# Altium PCB motherboard 2 layer try.PcbDoc (part 2 of 2)
Units mm, origin at the board's own origin, x right, y up, seen from the top; angles counter-clockwise.
Board outline 224.71 x 145.57 mm, 2 copper layers (Top Layer, Bottom Layer); 59 components, 158 nets, 486 pads, 605 vias.
Unrouted connection lines stored in the file: 6.
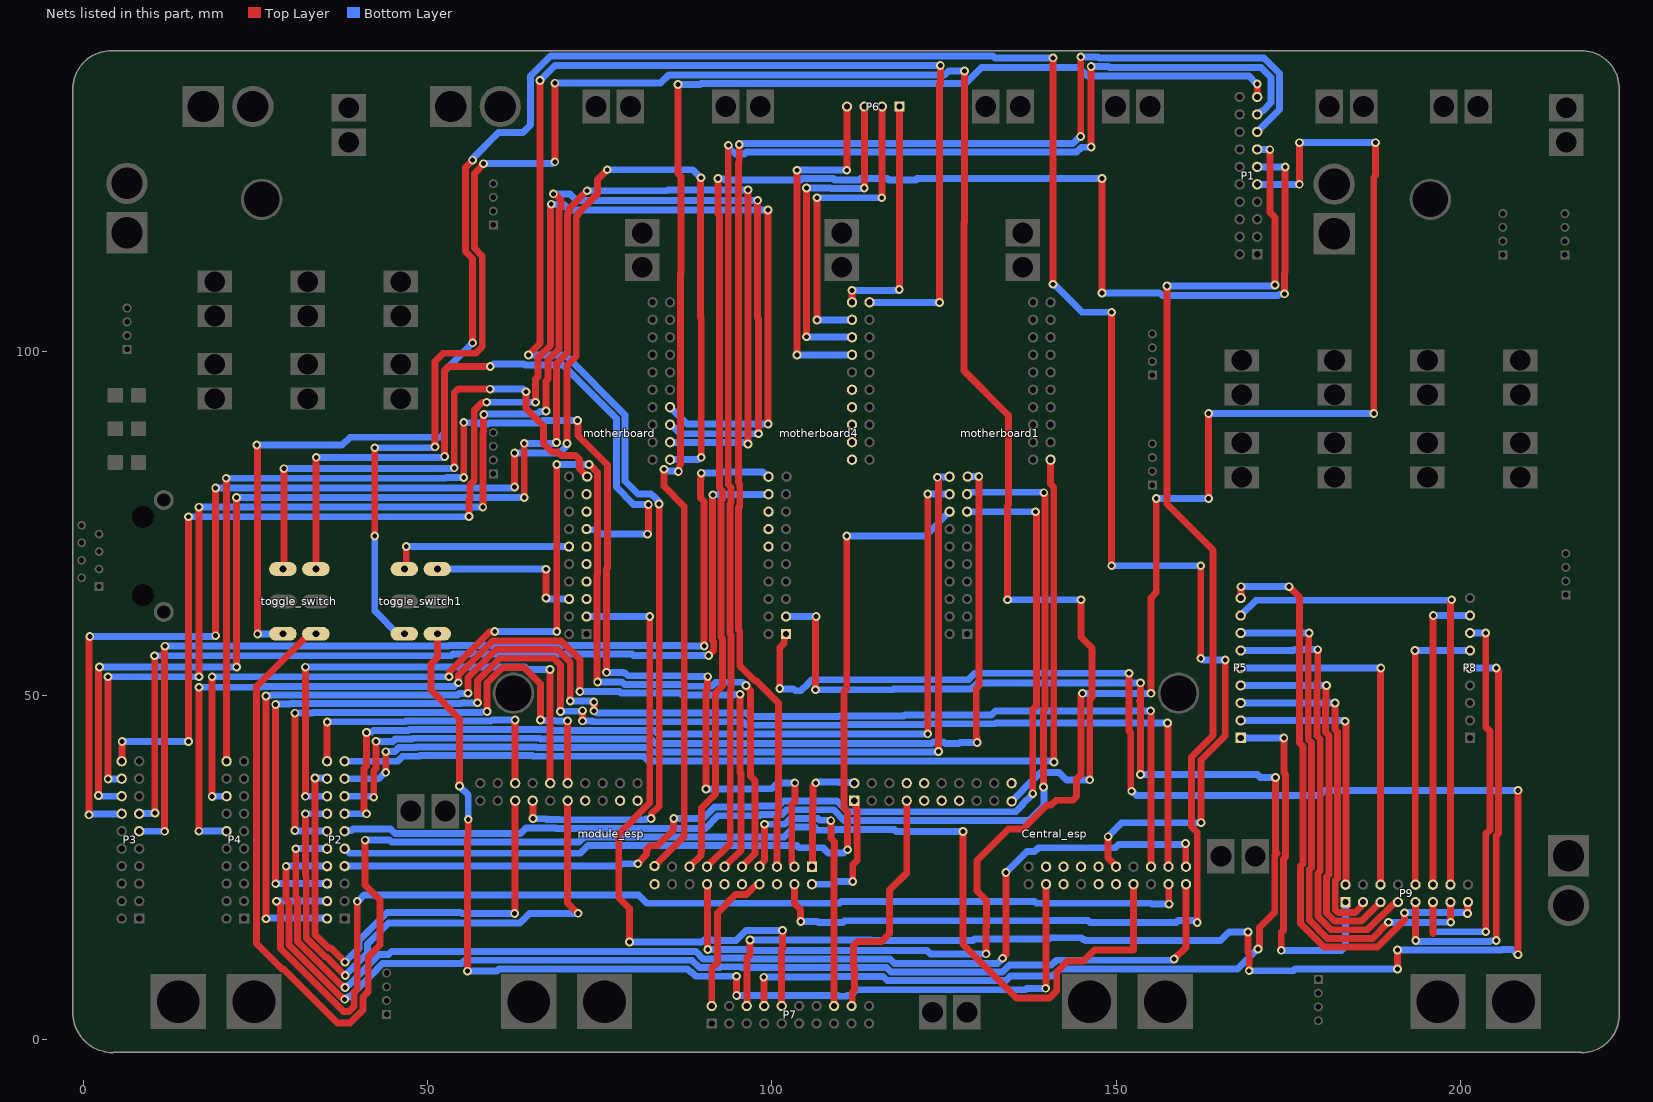
[diagram p2: the nets of this part, all layers, seen from the top]

## Via types
v1: diameter 1.27, hole 0.711, Top Layer to Bottom Layer, 605 vias

## Nets (pads, with @x,y where several pads share a name; then routed paths per layer and width w, separated by ;. In a path a pad name is that pad's centre, name@x,y a point inside that pad or via, vN(x,y) a via of type N, cw(c..) or ccw(c..) an arc to the next point about the centre after c; other vN are vias at no path point) (continued)
Netmotherboard1_15: motherboard1.15 P2.7 | length 158.3
  Top Layer w1: v1(80.518,25.526) 80.518,25.599 81.795,26.876 81.795,27.566 82.381,28.152 83.397,28.152 85.673,30.428 85.673,32.071 v1(85.725,32.123) ; v1(137.894,35.719) 137.894,48.028 138.414,48.548 138.414,76.465 138.279,76.6 v1(138.279,76.673)
  Bottom Layer w1: P2.7@37.91,25.184 77.883,25.184 78.225,25.526 v1(80.518,25.526) ; v1(85.725,32.123) 89.996,32.123 91.639,33.766 97.687,33.766 97.838,33.918 100.959,33.918 101.68,34.639 109.447,34.639 110.993,33.093 135.458,33.093 136.428,34.063 136.428,34.181 137.894,35.646 v1(137.894,35.719) ; motherboard1.15@128.355,76.689 128.363,76.681 138.271,76.681 v1(138.279,76.673)
Netmotherboard1_16: motherboard1.16 P2.9 | length 136.9
  Top Layer w1: v1(110.871,73.152) 110.871,51.001 110.459,50.589 110.459,33.627 110.998,33.088 v1(110.998,27.572)
  Bottom Layer w1: P2.9@37.91,27.724 38.045,27.724 38.718,27.051 72.136,27.051 73.254,28.169 103.632,28.169 103.946,27.855 107.391,27.855 108.179,27.067 110.42,27.067 110.925,27.572 v1(110.998,27.572) ; v1(110.871,73.152) 122.278,73.152 motherboard1.16@125.815,76.689
Netmotherboard1_17: motherboard1.17 P2.11 | length 161.9
  Top Layer w1: v1(139.46,36.685) 139.46,47.82 139.668,48.029 139.668,79.21 139.501,79.377 v1(139.501,79.45)
  Bottom Layer w1: P2.11@37.91,30.264 38.006,30.36 38.908,30.36 39.139,30.591 44.571,30.591 45.227,29.935 63.451,29.935 64.25,30.734 68.6,30.734 68.657,30.677 90.324,30.677 92.159,32.512 98.206,32.512 98.358,32.664 101.478,32.664 102.2,33.385 108.927,33.385 110.473,31.839 137.366,31.839 139.498,33.971 139.498,36.647 v1(139.46,36.685) ; motherboard1.17@128.355,79.229 128.49,79.229 128.763,79.502 139.449,79.502 v1(139.501,79.45)
Netmotherboard1_18: motherboard1.18 P2.13 | length 135.4
  Top Layer w1: v1(41.097,32.784) 41.097,32.857 40.753,33.201 40.753,39.4 41.093,39.74 41.093,44.591 v1(41.097,44.595) ; v1(122.631,44.403) v1(122.631,79.266)
  Bottom Layer w1: P2.13@37.91,32.804 37.92,32.794 41.087,32.794 v1(41.097,32.784) ; v1(41.097,44.595) 41.149,44.647 41.851,44.647 42.115,44.91 47.214,44.91 47.325,45.021 68.059,45.021 68.17,44.91 82.951,44.91 83.458,44.403 110.731,44.403 110.818,44.49 110.905,44.403 v1(122.631,44.403) ; v1(122.631,79.266) 122.649,79.248 125.797,79.248 motherboard1.18@125.815,79.229
Netmotherboard1_19: motherboard1.19 P2.15 | length 141.1
  Top Layer w1: v1(42.142,35.197) 42.142,39.015 42.482,39.355 v1(42.482,43.313) ; v1(129.818,43.149) 129.766,43.201 129.766,43.831 129.683,43.915 129.683,50.994 130.056,51.367 v1(130.056,81.806)
  Bottom Layer w1: P2.15@37.91,35.344 41.922,35.344 42.069,35.197 v1(42.142,35.197) ; v1(42.482,43.313) 44.914,43.313 45.257,43.656 47.734,43.656 47.845,43.767 66.217,43.767 66.328,43.656 82.432,43.656 83.074,43.014 123.206,43.014 123.428,43.236 124.933,43.236 125.155,43.014 127.183,43.014 127.318,43.149 v1(129.818,43.149) ; motherboard1.19@128.447,81.781 128.459,81.794 130.043,81.794 v1(130.056,81.806)
Netmotherboard1_20: motherboard1.20 P2.17 | length 132
  Top Layer w1: v1(43.881,38.814) 43.886,38.819 43.886,41.808 v1(43.891,41.813) ; v1(124.028,81.669) 124.028,81.596 124.18,81.444 v1(124.18,41.847)
  Bottom Layer w1: P2.17@37.91,37.884 42.878,37.884 43.808,38.814 v1(43.881,38.814) ; v1(43.891,41.813) 43.943,41.865 45.239,41.865 45.776,42.402 48.253,42.402 48.364,42.513 65.698,42.513 65.809,42.402 81.912,42.402 82.554,41.76 123.726,41.76 123.761,41.795 124.128,41.795 v1(124.18,41.847) ; v1(124.028,81.669) 124.078,81.719 125.765,81.719 motherboard1.20@125.815,81.769
Netmotherboard1_21: motherboard1.21 P2.19 | length 147.9
  Top Layer w1: motherboard1.21@140.487,84.239 140.487,80.688 140.946,80.229 140.946,40.326 v1(140.962,40.31)
  Bottom Layer w1: P2.19@37.91,40.424 45.572,40.424 46.296,41.148 48.773,41.148 48.884,41.259 65.179,41.259 65.29,41.148 81.393,41.148 82.083,40.458 140.742,40.458 140.889,40.31 v1(140.962,40.31)
Netmotherboard2_1: Central_esp.2 module_esp.1 | length 18.2
  Top Layer w1: module_esp.1@105.809,25.097 105.91,25.198 105.91,33.632 105.97,33.692 105.97,36.817 106.362,37.209 v1(106.362,37.282) ; Central_esp.2@111.925,37.267 Central_esp.2@111.963,37.229
  Bottom Layer w1: v1(106.362,37.282) 106.435,37.282 106.57,37.417 109.645,37.417 109.738,37.325 111.867,37.325 Central_esp.2@111.963,37.229
Netmotherboard2_2: Central_esp.1 module_esp.2 | length 18.3
  Top Layer w1: v1(111.733,22.947) 111.733,25.327 112.387,25.98 112.387,28.515 112.369,28.533 112.369,33.49 112.213,33.646 112.213,34.439 Central_esp.1@111.963,34.689
  Bottom Layer w1: module_esp.2@105.809,22.557 109.098,22.557 109.488,22.947 v1(111.733,22.947)
Netmotherboard2_3: module_esp.3 P4.20 | length 196.2
  Top Layer w1: v1(20.701,81.534) 20.733,81.502 20.733,40.456 P4.20@20.765,40.424 ; v1(55.221,89.662) 55.223,89.66 55.223,81.667 v1(55.225,81.665) ; v1(71.755,89.916) 71.796,89.875 71.796,87.781 76.089,83.488 76.089,68.519 75.954,68.384 v1(75.954,53.342) ; v1(90.432,36.393) 90.432,50.731 90.626,50.926 90.626,52.661 v1(90.678,52.713) ; module_esp.3@103.269,25.097 103.269,25.232 102.87,25.631 102.87,34.139 103.327,34.596 v1(103.327,37.282)
  Bottom Layer w1: v1(20.701,81.534) 52.59,81.534 52.721,81.665 v1(55.225,81.665) ; v1(55.221,89.662) 55.273,89.61 57.346,89.61 57.54,89.416 58.75,89.416 58.929,89.595 66.409,89.595 66.73,89.916 v1(71.755,89.916) ; v1(75.954,53.342) 78.414,53.342 78.549,53.207 78.739,53.207 79.098,52.848 87.674,52.848 87.809,52.713 v1(90.678,52.713) ; v1(90.432,36.393) 96.766,36.393 96.799,36.426 99.92,36.426 100.776,37.282 v1(103.327,37.282)
Netmotherboard2_4: module_esp.4 P1.13 | length 198.4
  Top Layer w1: module_esp.4@103.269,22.557 103.269,22.335 103.26,22.326 103.26,19.78 104.131,18.909 104.131,17.197 v1(104.182,17.145) ; v1(157.401,109.466) 157.401,77.77 164.088,71.083 164.088,44.153 160.955,41.02 160.955,30.921 161.798,30.078 v1(161.798,17.01) ; v1(172.339,129.286) 172.339,120.181 173.101,119.419 v1(173.101,109.609)
  Bottom Layer w1: v1(104.182,17.145) 106.616,17.145 106.74,17.021 110.313,17.021 110.54,17.248 139.348,17.248 139.391,17.291 145.95,17.291 146.22,17.021 158.778,17.021 159.029,17.272 161.463,17.272 161.725,17.01 v1(161.798,17.01) ; v1(157.401,109.466) 172.885,109.466 173.028,109.609 v1(173.101,109.609) ; P1.13@170.498,129.324 170.517,129.305 172.32,129.305 v1(172.339,129.286)
Netmotherboard2_5: module_esp.5 P1.15 | length 209.2
  Top Layer w1: v1(95.25,130.048) 95.25,127.532 95.131,127.413 95.131,80.925 95.313,80.743 95.313,77.457 95.131,77.275 95.131,59.484 95.313,59.302 95.313,54.314 97.514,52.113 97.727,52.113 100.957,48.884 100.957,32.512 100.729,32.284 module_esp.5@100.729,25.097 ; v1(144.856,131.209) 144.856,142.762 v1(144.864,142.77)
  Bottom Layer w1: v1(95.25,130.048) 95.302,130.1 95.702,130.1 95.785,130.183 143.757,130.183 144.783,131.209 v1(144.856,131.209) ; v1(144.864,142.77) 147.35,142.77 147.499,142.621 171.516,142.621 173.764,140.373 173.764,135.13 P1.15@170.498,131.864
Netmotherboard2_6: module_esp.6
Netmotherboard2_7: module_esp.7 P7.16 | length 43.8
  Top Layer w1: module_esp.7@98.189,25.097 98.189,25.232 98.933,25.976 v1(98.933,31.275) ; v1(108.555,31.793) 108.569,31.779 108.569,29.244 108.655,29.158 108.655,29.123 109.101,28.677 109.101,27.651 109.033,27.583 109.033,5.095 109.03,5.092 P7.16@109.03,4.864
  Bottom Layer w1: v1(98.933,31.275) 101.863,31.275 102.719,32.131 106.675,32.131 106.962,31.845 108.503,31.845 v1(108.555,31.793)
Netmotherboard2_8: module_esp.8 P7.2 | length 21.7
  Top Layer w1: P7.2@91.25,4.864 91.25,10.309 92.067,11.126 92.067,18.407 94.713,21.053 96.272,21.053 97.68,22.461 98.093,22.461 module_esp.8@98.189,22.557
Netmotherboard2_9: module_esp.9 P4.16 | length 183.2
  Top Layer w1: v1(18.669,35.306) v1@18.669,52.451 ; v1(53.086,52.705) 53.138,52.757 53.138,53.417 58.948,59.227 59.668,59.227 v1(59.72,59.279) ; v1(68.726,59.279) v1(68.726,83.547) ; v1(73.403,83.535) 73.476,83.535 73.726,83.285 73.776,83.285 74.657,82.404 74.657,67.631 74.565,67.539 74.565,52.137 74.676,52.026 v1(74.676,51.953) ; module_esp.9@95.649,25.097 97.544,26.992 97.544,37.644 96.901,38.287 96.901,50.689 96.245,51.345 v1(96.245,51.418)
  Bottom Layer w1: v1(18.669,52.705) v1(53.086,52.705) ; v1@18.961,35.344 P4.16@20.765,35.344 ; v1(59.72,59.279) v1(68.726,59.279) ; v1(68.726,83.547) 68.732,83.541 73.397,83.541 v1(73.403,83.535) ; v1(74.676,51.953) 78.22,51.953 78.579,51.594 87.154,51.594 87.424,51.324 91.257,51.324 91.835,51.901 95.688,51.901 96.172,51.418 v1(96.245,51.418)
Netmotherboard2_10: module_esp.10
Netmotherboard2_11: module_esp.11 P4.12 | length 139
  Top Layer w1: v1(16.733,30.264) 16.728,30.269 16.728,51.154 v1(16.756,51.182) ; v1(54.432,51.834) 54.484,51.886 54.484,52.99 59.384,57.89 69.381,57.89 72.085,55.186 v1(72.085,50.562) ; module_esp.11@93.109,25.097 95.488,27.476 95.488,38.684 95.377,38.795 v1(95.377,50.165)
  Bottom Layer w1: v1@16.713,30.244 v1(16.733,30.264) P4.12@20.765,30.264 ; v1(16.756,51.182) 25.79,51.182 25.917,51.308 53.833,51.308 54.307,51.782 v1@54.344,51.746 ; v1(72.085,50.562) 77.838,50.562 78.06,50.34 86.635,50.34 86.905,50.07 94.484,50.07 94.527,50.113 95.325,50.113 v1(95.377,50.165)
Netmotherboard2_12: module_esp.12
Netmotherboard2_13: module_esp.13 P1.17 | length 205.3
  Top Layer w1: module_esp.13@90.569,25.097 93.946,28.474 93.946,50.699 94.059,50.811 94.059,58.782 93.877,58.964 93.877,77.795 94.059,77.977 94.059,80.224 93.655,80.627 93.655,129.92 v1(93.664,129.929) ; v1(146.38,129.685) v1(146.38,141.381)
  Bottom Layer w1: v1(93.664,129.929) 93.664,129.856 93.861,129.659 93.861,129.473 94.675,128.659 96.035,128.659 96.305,128.929 144.276,128.929 144.981,129.633 146.328,129.633 v1(146.38,129.685) ; v1(146.38,141.381) 146.394,141.367 148.872,141.367 149.015,141.224 171.087,141.224 172.51,139.801 172.51,136.111 171.331,134.932 171.161,134.932 170.633,134.404 P1.17@170.498,134.404
Netmotherboard2_14: module_esp.14 P1.9 | length 243.3
  Top Layer w1: module_esp.14@90.569,22.557 90.626,22.5 90.626,13.141 v1(90.678,13.089) ; v1(131.117,12.438) 131.117,16.302 131.191,16.376 131.191,20.167 129.794,21.564 129.794,26.03 134.349,30.585 136.497,30.585 139.954,34.042 140.555,34.042 141.263,34.75 143.686,34.75 144.272,35.336 144.272,37.846 144.923,38.497 144.923,50.029 145.113,50.219 v1(145.113,50.292) ; v1(155.067,50.292) 155.067,64.162 155.829,64.924 v1(155.829,78.613) ; v1(163.449,78.613) v1(163.449,90.932) ; v1(176.619,124.244) 176.638,124.263 176.638,130.283 v1(176.657,130.302) ; v1(187.452,90.932) 187.439,90.945 187.439,125.26 187.706,125.527 v1(187.706,130.302)
  Bottom Layer w1: v1(90.678,13.089) 96.506,13.089 96.641,12.954 122.511,12.954 123.027,12.438 v1(131.117,12.438) ; v1(145.113,50.292) v1(155.067,50.292) ; v1(155.829,78.613) v1(163.449,78.613) ; v1(163.449,90.932) v1(187.452,90.932) ; P1.9@170.498,124.244 v1(176.619,124.244) ; v1(176.657,130.302) v1(187.706,130.302)
Netmotherboard2_15: module_esp.15 P1.11 | length 224.7
  Top Layer w1: module_esp.15@88.029,25.097 89.67,26.738 89.67,27.246 89.757,27.333 89.757,33.623 91.821,35.687 91.821,50.347 92.805,51.331 92.805,58.263 92.623,58.445 92.623,78.314 92.805,78.496 92.805,79.704 92.401,80.108 92.401,119.701 92.151,119.952 v1(92.151,125.103) ; v1(147.955,108.458) v1(147.955,125.095) ; v1(174.457,108.331) 174.49,108.364 174.49,111.428 174.536,111.474 174.536,126.708 v1(174.575,126.746)
  Bottom Layer w1: v1(92.151,125.103) 92.203,125.051 92.957,125.051 93.112,124.897 104.207,124.897 104.397,125.087 108.917,125.087 109.107,124.897 112.646,124.897 112.836,125.087 116.773,125.087 116.963,124.897 120.901,124.897 121.099,125.095 v1(147.955,125.095) ; v1(147.955,108.458) 156.334,108.458 156.715,108.077 173.533,108.077 173.736,108.279 174.406,108.279 v1(174.457,108.331) ; P1.11@170.498,126.784 170.71,126.784 170.729,126.765 174.556,126.765 v1(174.575,126.746)
Netmotherboard2_19: module_esp.19 P1.19 | length 207.3
  Top Layer w1: module_esp.19@82.937,25.189 87.249,29.501 87.249,77.47 84.331,80.388 v1(84.331,82.845) ; v1(86.36,138.734) 86.36,125.821 86.757,125.424 86.757,111.312 86.7,111.255 86.7,85.158 86.697,83.616 v1(86.4,82.524) ; P1.19@170.498,136.944 170.501,136.947 170.501,138.832 v1(170.504,138.835)
  Bottom Layer w1: v1(84.331,82.845) 84.404,82.845 84.674,82.575 86.348,82.575 v1(86.4,82.524) ; v1(86.36,138.734) 89.535,138.734 89.67,138.869 128.09,138.869 130.445,141.224 144.573,141.224 145.827,139.97 169.296,139.97 170.431,138.835 v1(170.504,138.835)
Netmotherboard2_20: module_esp.20
Netmotherboard2_22: module_esp.22
Netmotherboard2_24: module_esp.24
Netmotherboard2_28: module_esp.28
Netmotherboard2_29: module_esp.29 P2.12 | length 82
  Top Layer w1: v1(30.683,30.371) v1(30.683,47.411) ; v1(58.623,47.664) 58.623,51.809 60.878,54.064 63.988,54.064 66.37,51.682 v1(66.37,46.41) ; v1(70.307,46.299) 70.319,46.287 module_esp.29@70.319,37.229
  Bottom Layer w1: v1(30.683,30.371) 30.756,30.371 30.863,30.264 P2.12@35.37,30.264 ; v1(30.683,47.411) 33.213,47.411 33.331,47.529 57.801,47.529 57.885,47.612 58.571,47.612 v1(58.623,47.664) ; v1(66.37,46.41) 66.422,46.358 68.495,46.358 68.599,46.254 70.262,46.254 v1(70.307,46.299)
Netmotherboard2_30: module_esp.30 P2.14 | length 84.5
  Top Layer w1: v1(32.207,32.784) 32.207,23.925 32.337,23.795 32.337,14.762 35.072,12.027 35.217,12.027 37.95,9.294 v1(37.996,9.294) ; module_esp.30@70.319,34.689 70.319,19.855 v1(71.846,18.328)
  Bottom Layer w1: v1(32.207,32.784) 32.217,32.794 35.36,32.794 P2.14@35.37,32.804 ; v1(37.996,9.294) 41.245,12.543 41.245,13.866 44.279,16.899 63.359,16.899 64.788,18.328 v1(71.846,18.328)
Netmotherboard2_31: module_esp.31 P2.16 | length 74.2
  Top Layer w1: v1(32.207,35.324) v1(32.207,54.094) ; v1(67.767,53.747) 67.773,53.741 67.773,37.235 module_esp.31@67.779,37.229
  Bottom Layer w1: v1@32.207,35.344 P2.16@35.37,35.344 ; v1(32.207,54.094) 64.097,54.094 64.444,53.747 v1(67.767,53.747)
Netmotherboard2_34: module_esp.34 motherboard4.39 | length 244.2
  Top Layer w1: v1(64.643,99.433) 66.306,101.096 v1(66.306,139.331) ; module_esp.34@65.239,34.689 65.259,34.67 65.259,32.143 v1(65.278,32.123) ; v1(82.452,32.123) 82.504,32.175 82.504,32.813 83.632,33.941 83.632,77.771 v1(83.602,77.801) ; v1(124.333,107.061) 124.333,138.809 124.46,138.936 v1(124.46,141.512)
  Bottom Layer w1: v1(64.643,99.433) 69.971,99.433 78.641,90.763 78.641,81.125 80.518,79.248 82.417,79.248 82.717,78.948 82.782,78.948 83.551,78.18 83.551,77.852 v1(83.602,77.801) ; v1(65.278,32.123) 65.33,32.071 67.159,32.071 67.243,31.988 69.12,31.988 69.177,31.931 81.621,31.931 81.762,32.071 82.4,32.071 v1(82.452,32.123) ; v1(66.306,139.331) 68.487,141.512 v1(124.46,141.512) ; motherboard4.39@114.174,107.099 114.193,107.08 124.314,107.08 v1(124.333,107.061)
Netmotherboard2_35: module_esp.35 P2.20 | length 42.3
  Top Layer w1: P2.20@35.37,40.424 35.376,40.43 35.376,46.113 v1(35.382,46.119) ; v1(62.687,46.41) 62.693,46.404 62.693,37.235 module_esp.35@62.699,37.229
  Bottom Layer w1: v1(35.382,46.119) 35.427,46.164 46.695,46.164 46.806,46.275 59.198,46.275 59.333,46.41 v1(62.687,46.41)
Netmotherboard2_36: module_esp.36 P2.18 | length 75
  Top Layer w1: v1(33.604,37.991) 33.604,37.872 33.598,37.866 33.598,15.274 35.592,13.281 35.928,13.281 v1(37.973,11.235) ; v1(62.611,18.288) 62.655,18.332 62.655,34.645 module_esp.36@62.699,34.689
  Bottom Layer w1: v1@33.985,37.991 33.996,37.98 35.274,37.98 P2.18@35.37,37.884 ; v1(37.973,11.235) 39.991,13.254 39.991,14.385 44.069,18.463 54.763,18.463 54.938,18.288 v1(62.611,18.288)
Netmotherboard3_7: Central_esp.7 P7.18 | length 35.3
  Top Layer w1: P7.18@111.57,4.864 111.666,4.96 111.666,6.831 112.006,7.172 112.006,10.337 111.871,10.472 111.871,13.638 112.457,14.224 115.951,14.224 117.094,15.367 117.094,21.717 119.583,24.206 Central_esp.7@119.583,34.689
Netmotherboard3_8: Central_esp.8
Netmotherboard3_9: Central_esp.9
Netmotherboard3_10: Central_esp.10 | length 0.1
  Top Layer w1: Central_esp.10@122.123,37.229 Central_esp.10@122.123,37.364
Netmotherboard3_11: Central_esp.11
Netmotherboard3_13: Central_esp.13
Netmotherboard3_19: Central_esp.19 toggle_switch1.3 | length 299
  Top Layer w1: v1(42.291,73.16) v1(42.291,85.971) ; v1(51.054,86.106) 51.054,98.538 52.211,99.695 56.955,99.695 57.904,100.644 57.904,113.86 56.754,115.01 56.754,125.823 58.104,127.173 v1(58.104,127.246) ; v1(68.453,127.508) v1(68.453,138.946) ; v1(127.977,140.721) 127.99,140.708 127.99,118.685 127.889,118.584 127.889,97.16 134.382,90.667 134.382,77.681 134.223,77.522 v1(134.223,63.881) ; v1(144.907,63.881) 144.907,58.449 146.502,56.854 146.502,49.717 146.177,49.392 v1(146.177,37.719)
  Bottom Layer w1: v1(42.291,73.16) 42.291,62.238 45.584,58.945 toggle_switch1.3@46.584,58.945 ; v1(42.291,85.971) 42.295,85.975 50.85,85.975 50.981,86.106 v1(51.054,86.106) ; v1(58.104,127.246) 68.118,127.246 68.38,127.508 v1(68.453,127.508) ; v1(68.453,138.946) 83.828,138.946 85.005,140.123 125.035,140.123 125.633,140.721 v1(127.977,140.721) ; v1(134.223,63.881) v1(144.907,63.881) ; Central_esp.19@134.835,34.597 136.426,36.188 136.426,36.216 138.992,38.782 141.724,38.782 142.787,37.719 v1(146.177,37.719)
Netmotherboard3_20: Central_esp.20
Netmotherboard3_23: Central_esp.23 toggle_switch1.6 | length 154.6
  Top Layer w1: toggle_switch1.6@51.384,58.945 51.384,55.517 50.443,54.576 50.443,50.742 54.61,46.575 v1(54.61,36.83) ; v1(55.753,9.93) 55.753,29.345 55.88,29.472 v1(55.88,31.98) ; v1(94.85,9.184) 94.86,9.175 94.86,6.415 v1(94.869,6.406) ; v1(139.763,7.429) 139.763,7.503 139.833,7.572 Central_esp.23@139.833,22.557
  Bottom Layer w1: v1(54.61,36.83) 54.61,36.757 55.88,35.487 v1(55.88,31.98) ; v1(55.753,9.93) 60.033,9.93 60.356,10.253 87.749,10.253 88.175,9.827 88.318,9.827 88.961,9.184 v1(94.85,9.184) ; v1(94.869,6.406) 109.615,6.406 109.746,6.275 110.854,6.275 110.947,6.368 111.448,6.368 112.309,7.229 136.812,7.229 137.013,7.429 139.639,7.429 v1@139.644,7.425
Netmotherboard3_24: Central_esp.24
Netmotherboard3_25: Central_esp.25
Netmotherboard3_26: Central_esp.26
Netmotherboard3_28: Central_esp.28
Netmotherboard3_29: Central_esp.29
Netmotherboard3_30: Central_esp.30
Netmotherboard3_31: Central_esp.31
Netmotherboard3_32: Central_esp.32 toggle_switch.3 | length 350.3
  Top Layer w1: v1(25.146,86.36) 25.146,86.287 25.273,86.16 v1(25.273,58.928) ; v1(56.515,101.219) 56.515,113.475 55.5,114.49 55.5,126.674 56.515,127.689 v1(56.515,127.762) ; v1(140.843,109.728) v1(140.843,142.621) ; v1(148.844,29.464) 148.844,26.381 149.993,25.232 Central_esp.32@149.993,25.097 ; v1(149.352,68.834) v1(149.352,105.664) ; v1(162.306,55.372) v1(162.306,68.834) ; v1(162.344,31.496) 162.344,40.636 165.862,44.154 v1(165.862,55.118)
  Bottom Layer w1: v1(25.146,86.36) 37.535,86.36 38.67,87.495 51.865,87.495 52.451,88.081 52.451,97.155 v1(56.515,101.219) ; v1(25.273,58.928) 25.282,58.937 28.935,58.937 toggle_switch.3@28.944,58.945 ; v1@56.388,127.889 60.292,131.793 63.848,131.793 64.917,132.862 64.917,139.966 67.852,142.901 132.111,142.901 132.391,142.621 v1(140.843,142.621) ; v1@141.097,109.601 145.034,105.664 v1(149.352,105.664) ; v1(148.844,29.464) 150.876,31.496 v1(162.344,31.496) ; v1(149.352,68.834) v1(162.306,68.834) ; v1(162.306,55.372) 162.56,55.118 v1(165.862,55.118)
Netmotherboard3_33: Central_esp.33 toggle_switch.6 | length 243.4
  Top Layer w1: toggle_switch.6@33.744,58.945 32.744,58.945 25.103,51.304 25.103,13.94 28.79,10.253 29.053,10.253 29.495,9.811 29.495,9.786 36.868,2.413 38.667,2.413 40.558,4.304 40.558,6.178 41.344,6.964 41.344,12 43.053,13.709 43.053,20.253 40.894,22.412 v1(40.894,28.956) ; v1(127.762,30.226) 127.762,13.828 135.55,6.04 140.339,6.04 141.383,7.085 141.383,9.811 142.967,11.395 145.253,11.395 146.836,12.978 152.527,12.978 152.53,12.981 152.53,22.554 Central_esp.33@152.533,22.557
  Bottom Layer w1: v1(40.894,28.956) 44.432,28.956 44.707,28.681 71.993,28.681 72.735,29.423 101.784,29.423 103.222,30.861 106.172,30.861 106.629,30.404 109.13,30.404 109.206,30.48 117.795,30.48 118.049,30.226 v1(127.762,30.226)
Netmotherboard3_36: Central_esp.36 P2.2 | length 205.1
  Top Layer w1: v1(26.492,17.544) v1(26.492,49.919) ; v1(55.829,50.31) 55.829,52.562 59.903,56.636 68.862,56.636 70.688,54.81 v1(70.688,49.167) ; v1(74.117,47.744) v1(74.117,49.04) ; v1(155.016,47.744) 155.044,47.716 155.044,25.126 Central_esp.36@155.073,25.097
  Bottom Layer w1: v1(26.492,17.544) 26.565,17.544 26.681,17.66 35.274,17.66 P2.2@35.37,17.564 ; v1(26.492,49.919) 26.544,49.971 27.23,49.971 27.314,50.054 54.352,50.054 54.557,50.258 55.777,50.258 v1(55.829,50.31) ; v1(70.688,49.167) 73.917,49.167 74.044,49.04 v1(74.117,49.04) ; v1(74.117,47.744) 74.19,47.744 74.516,47.418 96.323,47.418 96.83,46.911 109.693,46.911 109.804,47.022 119.148,47.022 119.259,47.133 131.897,47.133 132.498,47.734 155.006,47.734 v1(155.016,47.744)
Netmotherboard3_37: Central_esp.37 P2.4 | length 166.7
  Top Layer w1: v1(28.016,20.084) 28.016,20.011 28.575,19.452 28.575,13.203 37.715,4.063 38.544,4.063 39.304,4.824 39.304,6.909 39.751,7.355 v1(39.751,20.066) ; Central_esp.37@157.613,22.557 157.648,22.522 157.648,19.699 v1(157.683,19.664)
  Bottom Layer w1: v1(28.016,20.084) 28.143,20.084 28.163,20.104 P2.4@35.37,20.104 ; v1(39.751,20.066) 39.824,20.066 40.729,20.971 80.635,20.971 81.807,19.799 109.791,19.799 110.042,20.05 138.162,20.05 138.413,19.799 155.048,19.799 155.183,19.664 v1(157.683,19.664)
Netmotherboard3_38: Central_esp.38 P2.6 | length 197.6
  Top Layer w1: v1(27.889,22.624) v1(27.889,48.665) ; v1(57.226,48.918) 57.226,52.185 60.423,55.382 68.342,55.382 69.291,54.433 v1(69.291,47.643) ; v1(72.466,46.299) v1(72.466,47.77) ; v1(157.48,45.974) 157.532,45.922 157.532,25.178 Central_esp.38@157.613,25.097
  Bottom Layer w1: v1(27.889,48.665) 27.94,48.716 30.024,48.716 30.108,48.8 54.872,48.8 54.985,48.913 57.221,48.913 v1(57.226,48.918) ; v1@28.143,22.624 28.163,22.644 P2.6@35.37,22.644 ; v1(69.291,47.643) 69.336,47.688 72.311,47.688 72.393,47.77 v1(72.466,47.77) ; v1(72.466,46.299) 72.518,46.247 73.913,46.247 73.997,46.164 95.804,46.164 96.311,45.657 110.212,45.657 110.323,45.768 122.032,45.768 122.143,45.879 132.416,45.879 132.511,45.974 v1(157.48,45.974)
Netmotherboard3_39: Central_esp.39 P2.8 | length 165
  Top Layer w1: v1(29.413,25.164) 29.413,20.387 29.829,19.971 29.829,13.723 37.398,6.153 37.516,6.153 37.842,5.828 v1(37.915,5.828) ; v1(158.436,11.676) 160.153,13.393 Central_esp.39@160.153,22.557
  Bottom Layer w1: v1(29.413,25.164) 29.433,25.184 P2.8@35.37,25.184 ; v1(37.915,5.828) 37.988,5.828 38.314,6.153 38.593,6.153 42.598,10.158 42.598,10.241 43.423,11.066 54.925,11.066 55.366,11.507 88.412,11.507 89.473,10.446 92.41,10.446 92.537,10.573 95.475,10.573 95.602,10.446 116.623,10.446 117.274,9.795 133.48,9.795 134.48,10.795 140.594,10.795 141.306,11.507 158.194,11.507 158.363,11.676 v1(158.436,11.676)
Netmotherboard3_40: Central_esp.40 P2.10 | length 170.6
  Top Layer w1: v1(30.81,27.704) 30.81,20.764 31.083,20.491 31.083,14.242 37.42,7.905 37.538,7.905 37.901,7.542 v1(37.974,7.542) ; v1(133.52,11.799) 133.52,11.872 133.985,12.337 v1(133.985,24.257) ; v1(160.096,28.466) 160.124,28.438 160.124,25.126 Central_esp.40@160.153,25.097
  Bottom Layer w1: v1@30.81,27.724 P2.10@35.37,27.724 ; v1(37.974,7.542) 38.047,7.542 38.409,7.905 38.571,7.905 40.726,10.06 40.726,10.142 42.903,12.32 44.315,12.32 44.756,12.761 88.931,12.761 89.992,11.7 91.891,11.7 92.018,11.827 95.995,11.827 96.122,11.7 117.142,11.7 117.793,11.049 132.766,11.049 133.517,11.799 v1(133.52,11.799) ; v1(133.985,24.257) 137.049,27.321 138.157,27.321 138.691,27.855 149.857,27.855 150.323,28.321 159.878,28.321 160.023,28.466 v1(160.096,28.466)
Netmotherboard4_1: motherboard4.1 P7.6 | length 289.2
  Top Layer w1: P7.6@96.33,4.864 96.362,4.896 96.362,11.835 96.825,12.299 v1(96.825,14.47) ; v1(101.138,51) 101.138,56.938 101.792,57.591 101.792,58.659 motherboard4.1@102.042,58.909 ; v1(151.892,53.213) 151.892,44.827 152.13,44.589 152.13,36.458 152.213,36.375 152.213,36.12 v1(152.265,36.068) ; v1(169.164,15.621) 169.164,12.621 169.338,12.448 v1(169.338,9.986) ; v1(190.881,10.225) 190.881,12.991 v1(190.893,13.003) ; v1(208.407,12.319) v1(208.407,36.195)
  Bottom Layer w1: v1(96.825,14.47) 114.383,14.47 114.494,14.359 129.231,14.359 129.443,14.571 140.218,14.571 140.43,14.783 144.911,14.783 145.181,14.513 145.372,14.513 145.518,14.367 165.175,14.367 166.429,15.621 v1(169.164,15.621) ; v1(101.138,51) 101.19,50.948 103.122,50.948 103.397,50.673 104.226,50.673 105.232,51.679 105.232,51.69 105.81,52.269 128.528,52.269 129.472,53.213 v1(151.892,53.213) ; v1(152.265,36.068) 152.338,36.068 152.979,35.427 179.546,35.427 180.314,36.195 v1(208.407,36.195) ; v1(169.338,9.986) 175.764,9.986 176.003,10.225 v1(190.881,10.225) ; v1(190.893,13.003) 205.984,13.003 206.054,13.073 207.58,13.073 208.334,12.319 v1(208.407,12.319)
Netmotherboard4_3: motherboard4.3 P7.8 | length 200.3
  Top Layer w1: v1(98.806,9.057) 98.838,9.025 98.838,4.896 P7.8@98.87,4.864 ; v1(106.314,50.808) 106.314,61.283 106.426,61.395 v1(106.426,61.468) ; v1(153.535,38.489) 153.535,49.053 153.407,49.181 153.535,49.309 v1(153.535,51.816) ; v1(170.61,13.149) 170.61,13.223 170.815,13.428 170.815,16.256 173.055,18.496 173.055,26.756 173.355,27.056 173.157,27.254 v1(173.157,38.07)
  Bottom Layer w1: v1(98.806,9.057) 108.693,9.057 108.772,9.136 116.159,9.136 116.754,8.541 134,8.541 134.667,9.208 140.78,9.208 141.825,10.253 167.64,10.253 170.537,13.149 v1(170.61,13.149) ; motherboard4.3@102.042,61.449 102.051,61.459 106.417,61.459 v1(106.426,61.468) ; v1(106.314,50.808) 117.614,50.808 117.701,50.895 128.928,50.895 129.841,51.808 153.527,51.808 v1(153.535,51.816) ; v1(153.535,38.489) 170.522,38.489 170.942,38.07 v1(173.157,38.07)
Netmotherboard4_12: motherboard4.12
Netmotherboard4_14: motherboard4.14
Netmotherboard4_16: motherboard4.16
Netmotherboard4_18: motherboard4.18 P3.13 | length 137.8
  Top Layer w1: v1(10.287,55.753) 10.329,55.711 10.329,32.953 v1(10.371,32.911) ; v1(90.799,55.784) 90.799,55.841 91.551,56.593 91.551,57.743 91.369,57.925 91.369,79.082 v1(91.416,79.129)
  Bottom Layer w1: P3.13@8.065,32.804 8.12,32.859 10.319,32.859 v1(10.371,32.911) ; v1(10.287,55.753) 53.446,55.753 53.678,55.985 79.699,55.985 79.905,55.779 90.795,55.779 v1(90.799,55.784) ; v1(91.416,79.129) 91.466,79.179 99.452,79.179 motherboard4.18@99.502,79.229
Netmotherboard4_20: motherboard4.20 P3.11 | length 144.5
  Top Layer w1: v1(11.76,30.244) 11.76,57.099 v1(11.811,57.15) ; v1(89.724,82.277) 89.672,82.225 89.672,81.396 89.623,81.347 89.623,78.643 90.115,78.151 90.115,57.215 v1(90.162,57.168)
  Bottom Layer w1: P3.11@8.065,30.264 8.075,30.254 11.75,30.254 v1(11.76,30.244) ; v1(11.811,57.15) 53.07,57.15 53.159,57.239 87.527,57.239 87.598,57.168 v1(90.162,57.168) ; v1(89.724,82.277) 92.213,82.277 92.359,82.423 98.713,82.423 99.367,81.769 motherboard4.20@99.502,81.769
Netmotherboard4_22: motherboard4.22
Netmotherboard4_24: motherboard4.24
Netmotherboard4_26: motherboard4.26
Netmotherboard4_28: motherboard4.28
Netmotherboard4_30: motherboard4.30
Netmotherboard4_34: motherboard4.34 P6.4 | length 51.4
  Top Layer w1: v1(103.632,99.441) v1(103.632,126.286) ; v1(110.871,126.286) 110.902,126.316 P6.4@110.902,135.547
  Bottom Layer w1: v1(103.632,99.441) 103.651,99.46 111.615,99.46 motherboard4.34@111.634,99.479 ; v1(103.632,126.286) 103.705,126.286 103.76,126.341 109.436,126.341 109.439,126.338 110.819,126.338 v1(110.871,126.286)
Netmotherboard4_36: motherboard4.36 P6.3 | length 48.5
  Top Layer w1: v1(105.021,102.1) 105.025,102.104 105.025,123.694 v1(105.029,123.698) ; v1@113.442,123.698 P6.3@113.442,135.547
  Bottom Layer w1: v1(105.021,102.1) 105.061,102.06 111.594,102.06 motherboard4.36@111.634,102.019 ; v1(105.029,123.698) 108.532,123.698 108.587,123.643 113.283,123.643 113.338,123.698 v1(113.411,123.698)
Netmotherboard4_38: motherboard4.38 P6.2 | length 45.5
  Top Layer w1: v1(106.553,104.521) v1(106.553,122.301) ; v1(115.951,122.301) 115.966,122.316 115.966,135.532 P6.2@115.982,135.547
  Bottom Layer w1: v1(106.553,104.521) 106.572,104.54 111.615,104.54 motherboard4.38@111.634,104.559 ; v1(106.553,122.301) v1(115.951,122.301)
Netmotherboard4_40: motherboard4.40 P6.1 | length 35.2
  Top Layer w1: motherboard4.40@111.634,107.099 v1(111.633,108.839) ; v1(118.491,108.966) 118.506,108.981 118.506,135.532 P6.1@118.522,135.547
  Bottom Layer w1: v1(111.633,108.839) 118.291,108.839 118.418,108.966 v1(118.491,108.966)
Netmotherboard_3: motherboard.3 P7.10 | length 93.1
  Top Layer w1: v1(79.301,14.15) 79.301,19.061 77.732,20.63 77.732,29.815 82.243,34.326 v1(82.243,61.46) ; P7.10@101.41,4.864 101.41,13.089 101.6,13.279 101.54,13.339 v1(101.54,15.859)
  Bottom Layer w1: motherboard.3@73.08,61.468 73.089,61.459 82.241,61.459 v1(82.243,61.46) ; v1(79.301,14.15) 89.775,14.15 90.103,14.478 91.253,14.478 91.364,14.367 94.758,14.367 96.25,15.859 v1(101.54,15.859)
Netmotherboard_5: motherboard.5
Netmotherboard_6: motherboard.6 toggle_switch1.4 | length 23.5
  Top Layer w1: v1@67.183,64.008 v1(67.183,64.135) v1(67.183,68.326)
  Bottom Layer w1: toggle_switch1.4@51.384,68.345 67.164,68.345 v1(67.183,68.326) ; v1(67.183,64.135) 67.256,64.135 67.402,63.989 motherboard.6@70.521,63.989
Netmotherboard_7: motherboard.7
Netmotherboard_9: motherboard.9
Netmotherboard_11: motherboard.11
Netmotherboard_12: motherboard.12 toggle_switch1.1 | length 27.1
  Top Layer w1: toggle_switch1.1@46.584,68.345 46.863,68.624 v1(46.863,71.628)
  Bottom Layer w1: v1(46.863,71.628) 46.872,71.619 70.511,71.619 motherboard.12@70.521,71.609
Netmotherboard_13: motherboard.13 toggle_switch.4 | length 105.2
  Top Layer w1: toggle_switch.4@33.744,68.345 v1@33.744,84.582 ; v1(52.443,84.717) 52.443,97.204 53.029,97.79 v1(59.071,97.79) ; v1(81.915,73.414) 81.915,73.487 82.042,73.614 v1(82.042,77.724)
  Bottom Layer w1: v1(33.782,84.582) 52.235,84.582 52.37,84.717 v1(52.443,84.717) ; v1(59.071,97.79) 59.123,97.842 59.234,97.842 59.531,98.139 63.973,98.139 64.108,98.004 69.627,98.004 77.387,90.244 77.387,80.271 79.907,77.751 82.015,77.751 v1(82.042,77.724) ; motherboard.13@73.061,74.149 73.157,74.053 74.414,74.053 75.054,73.414 v1(81.915,73.414)
Netmotherboard_15: motherboard.15
Netmotherboard_17: motherboard.17
Netmotherboard_19: motherboard.19 toggle_switch.1 | length 78.5
  Top Layer w1: toggle_switch.1@28.944,68.345 29.083,68.484 v1@29.083,82.677 ; v1@53.832,83.131 53.832,93.902 54.418,94.488 v1(59.055,94.488) ; v1(64.262,94.107) 64.262,91.694 66.794,89.162 66.794,86.622 68.056,85.36 68.877,85.36 69.401,84.836 71.428,84.836 72.014,84.25 72.014,82.96 73.153,81.821 motherboard.19@73.153,81.781
  Bottom Layer w1: v1(29.083,82.931) 53.632,82.931 53.759,83.058 v1(53.832,83.058) ; v1(59.055,94.488) 63.808,94.488 64.189,94.107 v1(64.262,94.107)
Netmotherboard_21: motherboard.21 P3.14 | length 229.1
  Top Layer w1: v1(0.762,32.639) 0.762,58.347 0.889,58.474 v1(0.889,58.547) ; v1@19.177,58.547 v1(19.177,80.137) ; v1(62.611,85.217) 62.615,85.213 62.615,80.268 v1(62.619,80.264) ; v1(70.222,86.588) 70.222,97.919 71.564,99.26 71.564,119.485 71.834,119.755 71.834,120.035 74.676,122.877 74.676,124.968 v1(76.073,126.365) ; v1(89.697,125.208) 89.697,125.135 89.623,125.062 89.623,104.908 89.722,104.809 v1(89.722,84.582)
  Bottom Layer w1: v1(0.762,32.639) 0.835,32.639 0.981,32.785 5.294,32.785 5.313,32.804 P3.14@5.525,32.804 ; v1(0.889,58.547) v1@19.177,58.547 ; v1(19.177,80.137) 62.419,80.137 62.546,80.264 v1(62.619,80.264) ; v1(62.611,85.217) 69.139,85.217 70.171,86.248 70.171,86.536 v1(70.222,86.588) ; v1(76.073,126.365) 88.467,126.365 89.623,125.208 v1(89.697,125.208) ; motherboard.21@85.193,84.239 89.306,84.239 89.649,84.582 v1(89.722,84.582)
  other v1: 19.177,58.674
Netmotherboard_23: motherboard.23 P3.16 | length 231.4
  Top Layer w1: v1(2.159,35.433) 2.159,53.902 2.286,54.029 v1(2.286,54.102) ; v1(22.186,78.74) 22.205,78.72 22.205,54.122 v1(22.225,54.102) ; v1@64.008,78.748 v1(64.008,86.614) ; v1(68.707,86.749) 68.707,98.177 70.31,99.78 70.31,120.004 70.58,120.274 70.58,120.745 v1(73.152,123.317) ; v1(96.52,86.511) v1(96.52,123.444)
  Bottom Layer w1: v1(2.159,35.433) 2.232,35.433 2.321,35.344 P3.16@5.525,35.344 ; v1(2.286,54.102) v1(22.225,54.102) ; v1(22.186,78.74) v1(64.016,78.74) ; v1(64.008,86.614) 68.499,86.614 68.634,86.749 v1(68.707,86.749) ; v1(73.152,123.317) 84.747,123.317 84.874,123.444 v1(96.52,123.444) ; motherboard.23@85.193,86.779 85.215,86.757 96.201,86.757 96.447,86.511 v1(96.52,86.511)
Netmotherboard_25: motherboard.25 P3.18 | length 229.2
  Top Layer w1: v1(3.548,52.705) 3.548,37.854 v1(3.556,37.846) ; v1(16.764,52.706) v1(16.764,77.343) ; v1(57.999,77.343) 57.999,88.17 58.104,88.275 58.104,90.769 v1(58.14,90.805) ; v1(67.183,91.313) 67.183,95.703 67.453,95.973 67.453,98.696 69.056,100.299 69.056,120.523 69.326,120.793 69.326,121.944 68.458,122.812 68.283,122.812 v1(68.232,122.864) ; v1(97.917,121.92) 97.917,104.876 98.06,104.733 98.06,88.027 v1(98.044,88.011)
  Bottom Layer w1: v1(3.548,52.705) v1(16.764,52.706) ; v1(3.556,37.846) 3.575,37.865 5.506,37.865 P3.18@5.525,37.884 ; v1(16.764,77.343) 37.363,77.343 37.4,77.38 57.962,77.38 v1(57.999,77.343) ; v1(58.14,90.805) 58.184,90.849 65.889,90.849 66.302,91.261 67.131,91.261 v1(67.183,91.313) ; v1(68.232,122.864) 70.63,122.864 71.574,121.92 v1(97.917,121.92) ; motherboard.25@85.193,89.319 85.328,89.319 86.636,88.011 v1(98.044,88.011)
Netmotherboard_27: motherboard.27 P3.20 | length 219.1
  Top Layer w1: P3.20@5.525,40.424 5.557,40.456 5.557,43.276 v1(5.588,43.307) ; v1(15.24,75.946) 15.24,43.432 v1@15.365,43.307 ; v1(55.976,75.991) 55.976,78.468 56.134,78.626 56.134,80.61 56.745,81.221 56.745,91.374 57.902,92.531 58.495,92.531 v1(58.547,92.583) ; v1(65.659,92.583) 65.659,95.953 66.032,96.326 66.032,99.049 67.802,100.819 67.802,121.043 67.885,121.126 67.885,121.317 v1(67.937,121.369) ; v1(99.441,120.523) 99.445,120.519 99.445,89.412 v1(99.449,89.408)
  Bottom Layer w1: v1(5.588,43.307) v1(15.24,43.307) ; v1(15.24,75.946) 55.931,75.946 v1(55.976,75.991) ; v1(58.547,92.583) v1(65.659,92.583) ; v1(67.937,121.369) 67.989,121.317 69.778,121.317 70.572,120.523 v1(99.441,120.523) ; motherboard.27@85.193,91.859 87.652,89.4 99.441,89.4 v1(99.449,89.408)
NetP5_1: P5.1 P9.1 | length 53.5
  Top Layer w1: v1(173.99,12.954) 173.99,15.524 174.309,15.843 174.309,26.236 174.609,26.537 174.609,38.507 174.371,38.745 v1(174.371,43.815)
  Bottom Layer w1: P5.1@168.115,43.815 v1(174.371,43.815) ; v1(173.99,12.954) 173.998,12.946 182.751,12.946 183.337,13.532 P9.1@183.337,19.957
NetP5_2: P5.2 P9.2 | length 39.1
  Top Layer w1: v1(183.261,46.228) 183.261,46.155 183.419,45.997 183.419,22.579 P9.2@183.337,22.497
  Bottom Layer w1: P5.2@168.097,46.373 168.319,46.373 168.328,46.364 183.052,46.364 183.188,46.228 v1(183.261,46.228)
NetP5_3: P5.3 P9.3 | length 49
  Top Layer w1: v1(181.808,48.895) 181.808,45.039 182.165,44.682 182.165,23.452 181.833,23.12 181.833,18.895 182.275,18.453 184.696,18.453 185.627,19.384 185.627,19.572 185.877,19.822 P9.3@185.877,19.957
  Bottom Layer w1: P5.3@168.097,48.913 181.79,48.913 v1(181.808,48.895)
NetP5_4: P5.4 P9.5 | length 55.4
  Top Layer w1: v1(180.554,51.435) 180.502,51.383 180.502,49.554 180.419,49.47 180.419,44.655 180.911,44.163 180.911,23.971 180.579,23.639 180.579,18.375 181.755,17.199 185.626,17.199 188.384,19.957 P9.5@188.417,19.957
  Bottom Layer w1: P5.4@168.097,51.453 180.536,51.453 v1(180.554,51.435)
NetP5_5: P5.5 P9.6 | length 51.9
  Top Layer w1: P9.6@188.417,22.497 188.442,22.523 188.442,53.949 v1(188.468,53.975)
  Bottom Layer w1: P5.5@168.097,53.993 168.106,53.984 188.459,53.984 v1(188.468,53.975)
NetP5_6: P5.6 P9.7 | length 64.5
  Top Layer w1: v1(179.3,56.642) 179.3,52.145 179.165,52.01 179.165,44.135 179.657,43.643 179.657,24.491 179.325,24.159 179.325,17.856 181.236,15.945 186.532,15.945 190.448,19.861 190.861,19.861 P9.7@190.957,19.957
  Bottom Layer w1: P5.6@168.097,56.533 175.792,56.533 175.901,56.642 v1(179.3,56.642)
NetP5_7: P5.7 P9.13 | length 77.7
  Top Layer w1: v1(178.046,59.055) 177.994,59.003 177.994,57.301 177.911,57.217 177.911,43.616 178.403,43.124 178.403,25.01 178.071,24.678 178.071,17.336 180.716,14.691 187.242,14.691 v1(189.59,17.039) ; P9.13@198.577,19.957 198.602,19.932 198.602,17.061 v1(198.628,17.035)
  Bottom Layer w1: P5.7@168.115,59.055 v1(178.046,59.055) ; v1(189.59,17.039) 189.611,17.018 195.993,17.018 196.111,16.9 196.246,17.035 v1(198.628,17.035)
NetP5_8: P5.8 P9.14 | length 73
  Top Layer w1: P9.14@198.577,22.497 198.577,63.63 198.755,63.808 v1(198.755,63.881)
  Bottom Layer w1: P5.8@168.097,61.613 168.103,61.613 168.212,61.722 168.224,61.722 170.31,63.808 198.491,63.808 198.512,63.829 v1@198.734,63.829
NetP5_9: P5.9 P9.15 | length 88.8
  Top Layer w1: P5.9@168.097,64.153 168.122,64.179 168.122,65.768 v1(168.148,65.794) ; v1(175.133,65.794) 176.657,64.27 176.657,43.096 177.149,42.604 177.149,25.53 176.817,25.198 176.817,16.817 180.197,13.437 187.953,13.437 191.897,17.381 v1@191.897,18.29 ; v1(201.041,18.288) 201.079,18.326 201.079,19.919 P9.15@201.117,19.957 P9.15@201.213,19.861
  Bottom Layer w1: P5.9@168.097,64.153 P5.9@168.232,64.153 ; v1(168.148,65.794) v1(175.133,65.794) ; v1(191.897,18.415) 191.906,18.424 200.831,18.424 200.968,18.288 v1(201.041,18.288)
NetP8_5: P8.5 P9.9 | length 61.1
  Top Layer w1: P9.9@193.497,19.957 193.516,19.938 193.516,14.412 v1(193.535,14.392) ; v1(205.232,14.392) 205.232,29.587 205.557,29.912 205.557,53.577 205.232,53.902 v1(205.232,53.975)
  Bottom Layer w1: v1(193.535,14.392) 193.608,14.392 193.743,14.257 204.283,14.257 204.367,14.341 205.18,14.341 v1(205.232,14.392) ; P8.5@201.422,53.975 v1(205.232,53.975)
NetP8_6: P8.6 P9.10 | length 42.1
  Top Layer w1: v1(193.421,56.515) 193.459,56.477 193.459,22.535 P9.10@193.497,22.497
  Bottom Layer w1: v1(193.421,56.515) P8.6@201.422,56.515
NetP8_7: P8.7 P9.11 | length 58.3
  Top Layer w1: P9.11@196.037,19.957 196.062,19.932 196.062,15.393 196.088,15.367 ; v1(203.708,15.646) 203.708,29.837 204.303,30.432 204.303,44.829 203.708,45.424 v1(203.708,59.055)
  Bottom Layer w1: 196.177,15.646 v1(203.708,15.646) ; P8.7@201.422,59.055 v1(203.708,59.055)
NetP8_8: P8.8 P9.12 | length 44.5
  Top Layer w1: P9.12@196.037,22.497 196.062,22.523 196.062,61.569 v1(196.088,61.595)
  Bottom Layer w1: v1(196.088,61.595) P8.8@201.422,61.595
pads on no net: 1.MH_NP_6mm 2.MH_NP_6mm 3.MH_NP_6mm 4.MH_NP_6mm J1.3 J2.3 J15.3 J16.3 J17.3 J18.3 J19.3 J20.3 J21. J21.4 J21.5 J21.6 J21.7 J21.8 J21.10 J22.3 J.3 module_esp.37 module_esp.38 module_esp.39 module_esp.40 motherboard1.6 motherboard1.8 motherboard1.22 motherboard1.23 motherboard1.24 motherboard1.25 motherboard1.26 motherboard1.27 motherboard1.28 motherboard1.29 motherboard1.30 motherboard1.31 motherboard1.32 motherboard1.33 motherboard1.34 motherboard1.35 motherboard1.36 motherboard1.37 motherboard1.38 motherboard1.39 motherboard1.40 motherboard4.2 motherboard4.4 motherboard4.5 motherboard4.6 motherboard4.8 motherboard4.10 motherboard4.31 motherboard4.32 motherboard4.33 motherboard.1 motherboard.2 motherboard.4 motherboard.8 motherboard.10 motherboard.14 motherboard.16 motherboard.18 motherboard.20 motherboard.22 motherboard.24 motherboard.26 motherboard.28 motherboard.29 motherboard.30 motherboard.31 motherboard.32 motherboard.33 motherboard.34 motherboard.35 motherboard.36 motherboard.37 motherboard.38 motherboard.39 motherboard.40 P3.1 P3.2 P3.3 P3.4 P3.5 P3.6 P3.7 P3.8 P3.9 P3.10 P3.12 P3.15 P3.17 P3.19 P4.1 P4.2 P4.3 P4.4 P4.5 P4.6 P4.7 P4.8 P4.9 P4.10 P4.11 P4.13 P4.14 P4.15 P4.17 P4.18 P4.19 P7.4 P7.9 P7.12 P7.14 P7.15 P7.17 P7.20 P8.9

## Polygon pours and split planes (outlines as drawn)
NetJ17_4 on Top Layer "NETJ17_4_L01_P017" (solid, pour order 17): 98.933,114.427 98.933,143.637 98.806,143.637 98.679,143.637 -1.587,143.637 -1.587,-1.909 42.672,-1.909 42.672,84.582 42.672,84.836 10.731,84.836 10.731,114.427
NetJ23_1 on Top Layer "NETJ23_1_L01_P012" (solid, pour order 12): 10.731,114.433 212.555,114.433 213.106,69.469 174.752,69.469 174.752,-1.714 43.168,-1.714 43.168,84.836 10.731,84.836
NetJ23_1 on Top Layer "NETJ23_1_L01_P011" (solid, pour order 11): 50.165,35.814 56.642,35.687 56.642,9.525 56.007,9.525 69.215,9.525 69.215,0.635 68.834,0.254 50.165,0.254 50.165,35.687
NetJ17_4 on Top Layer "NETJ17_4_L01_P020" (solid, pour order 20): 66.802,143.764 67.31,143.256 67.31,108.204 98.552,108.204 98.806,107.95 99.06,108.204 99.06,143.256
NetJ23_1 on Top Layer "NETJ23_1_L01_P015" (solid, pour order 15): 98.044,84.074 98.044,143.655 130.734,143.655 130.734,128.956 130.734,83.858 99.043,83.858 98.745,84.155
NetJ17_4 on Top Layer "NETJ17_4_L01_P018" (solid, pour order 18): 130.556,128.651 130.556,143.891 223.139,143.891 224.536,142.494 224.536,-1.905 175.641,-1.905 174.244,-0.508 174.244,72.898 131.445,72.898 130.048,74.295 131.191,75.438 131.191,128.143
NetJ23_1 on Top Layer "NETJ23_1_L01_P006" (solid, pour order 6): 164.592,83.693 212.344,83.693 212.344,78.105 164.592,78.105 164.592,83.566
NetJ23_1 on Top Layer "NETJ23_1_L01_P007" (solid, pour order 7): 15.494,95.504 49.657,95.504 49.657,89.535 15.494,89.535
GND on Top Layer "GND_L01_P002" (solid, pour order 2): 15.494,101.473 49.657,101.473 49.657,95.758 49.403,95.758 15.494,95.758
GND on Top Layer "GND_L01_P000" (solid, pour order 0): 164.719,90.043 212.471,90.043 212.471,84.201 212.344,84.328 164.719,84.328
GND on Bottom Layer "GND_L04_P019" (solid, pour order 19): -1.778,143.764 224.282,143.764 224.536,143.51 224.536,-1.778 -1.397,-1.778 -1.524,-1.905 -1.778,-1.651
NetJ17_4 on Bottom Layer "NETJ17_4_L04_P013" (solid, pour order 13): 142.748,118.618 142.748,108.331 142.748,91.186 74.803,91.186 74.803,118.618
GND on Bottom Layer "GND_L04_P008" (solid, pour order 8): 13.97,101.473 49.657,101.473 49.657,101.346 49.657,95.758 13.97,95.758
GND on Bottom Layer "GND_L04_P009" (solid, pour order 9): 164.592,90.043 212.344,90.043 212.344,89.916 212.344,84.328 164.592,84.328
NetJ23_1 on Bottom Layer "NETJ23_1_L04_P003" (solid, pour order 3): 15.494,95.758 49.657,95.758 49.657,89.535 15.494,89.535
NetJ23_1 on Bottom Layer "NETJ23_1_L04_P001" (solid, pour order 1): 164.592,84.328 212.344,84.328 212.344,78.105 164.592,78.105

## Silkscreen, mask and mechanical layers (free items; w line width, h text height)
Top Overlay:
  region: 81.534,70.358 81.534,71.374 86.995,71.374 86.995,70.358
  region: 79.248,70.866 81.534,69.088 81.534,72.771
  region: 109.728,65.024 109.728,66.04 115.189,66.04 115.189,65.024
  region: 107.442,65.532 109.728,63.754 109.728,67.437
  region: 136.398,68.707 136.398,69.723 141.859,69.723 141.859,68.707
  region: 134.112,69.215 136.398,67.437 136.398,71.12
  region: 65.024,25.019 66.04,25.019 66.04,19.558 65.024,19.558
  region: 65.532,27.305 63.754,25.019 67.437,25.019
  region: 121.793,26.797 120.015,24.511 123.698,24.511
  region: 121.285,24.511 122.301,24.511 122.301,19.05 121.285,19.05
  lines w0.254: -1.143,14.732 43.434,14.732 43.434,45.339 -1.143,45.339 -1.143,14.732 ; 43.942,16.256 174.752,16.256 174.752,41.783 43.942,41.783 43.942,16.256 ; 43.942,17.399 108.204,17.399 108.204,40.894 43.942,40.894 43.942,17.399 ; 65.786,53.975 89.408,53.975 89.408,124.714 65.786,124.714 65.786,53.975 ; 85.09,-1.397 118.11,-1.397 118.11,12.446 85.09,12.446 85.09,-1.397 ; 95.504,53.721 117.856,53.721 117.856,124.714 95.504,124.714 95.504,53.721 ; 110.109,17.399 174.752,17.399 174.752,40.894 110.109,40.894 110.109,17.399 ; 121.793,53.34 144.526,53.34 144.526,124.587 121.793,124.587 121.793,53.34 ; 151.384,41.91 223.012,41.91 223.012,65.659 151.384,65.659 151.384,41.91 ; 176.022,13.081 222.377,13.081 222.377,36.449 176.022,36.449 176.022,13.081
  text "imu+nano+gps" at 177.673,62.23 h1.52
  text "Backup_pins" at 17.526,42.926 h1.52
  text "Discovery_board_future" at 96.647,42.926 h1.52
  text "bu_rpi_5" at 0.1,40.526 h0.5
  text "bu_esp_3" at 15.34,40.272 h0.5
  text "bu_esp_10" at 29.437,40.272 h0.5
  text "bu_coms_13" at 39.724,40.061 h0.5
  text "bu_esp_10" at 62.852,38.962 h0.5 r90
  text "bu_rpi_4" at -0.027,38.748 h0.5
  text "bu_esp_9" at 28.675,37.732 h0.5
  text "bu_coms_12" at 39.597,37.394 h0.5
  text "bu_rpi_3" at -0.027,36.335 h0.5
  text "bu_esp_4" at 13.816,35.192 h0.5
  text "bu_esp_8" at 27.024,35.192 h0.5
  text "bu_coms_11" at 39.724,33.838 h0.5
  text "bu_rpi_2" at -0.154,33.668 h0.5
  text "5V" at 210.947,32.893 h1.52
  text "bu_stepper_4" at 11.403,32.779 h0.5
  text "AI_LED Panel" at 180.594,32.766 h1.52
  text "bu_esp_7" at 27.024,32.652 h0.5
  text "bu_coms_10" at 39.597,31.552 h0.5
  text "bu_esp_5" at 15.086,31.255 h0.5
  text "12V" at 166.37,30.861 h1.52 r90
  text "gnd" at 169.913,30.707 h0.5 r90
  text "bu_coms_9" at 39.597,30.028 h0.5
  text "bu_esp_6" at 30.072,29.096 h0.5
  text "bu_esp_9" at 62.852,29.056 h0.5 r90
  text "bu_stepper_3" at 9.752,28.969 h0.5
  text "gnd" at 47.358,27.913 h0.5 r90
  text "bu_coms_8" at 39.597,27.361 h0.5
  text "12V" at 51.816,27.305 h1.52
  text "bu_cen_6" at 29.691,26.345 h0.5
  text "bu_coms_7" at 39.597,24.821 h0.5
  text "g2" at 188.455,24.357 h0.5 r90
  text "g1" at 183.756,24.23 h0.5 r90
  text "gnd" at 186.042,24.23 h0.5 r90
  text "gnd" at 190.995,24.23 h0.5 r90
  text "analog_2" at 193.408,24.23 h0.5 r90
  text "analog_4" at 196.075,24.23 h0.5 r90
  text "lat" at 198.782,24.23 h0.5 r90
  text "bu_cen_5" at 29.818,23.805 h0.5
  text "gnd" at 202.919,22.619 h0.5
  text "bu_cen_4" at 29.818,22.281 h0.5
  text "bu_coms_6" at 39.597,22.281 h0.5
  text "bu_cen_3" at 29.691,19.741 h0.5
  text "bu_coms_5" at 40.74,19.741 h0.5
  text "oe" at 202.792,19.531 h0.5
  text "gnd" at 210.426,18.261 h0.5 r90
  text "r1" at 183.669,17.499 h0.5 r90
  text "b1" at 186.082,17.372 h0.5 r90
  text "bu_cen_2" at 29.691,17.328 h0.5
  text "bu_coms_4" at 39.597,17.201 h0.5
  text "r2" at 188.368,17.118 h0.5 r90
  text "b2" at 191.035,17.118 h0.5 r90
  text "clk" at 200.052,16.737 h0.5 r90
  text "analog_1" at 194.551,14.578 h0.5 r90
  text "analog_3" at 196.075,14.324 h0.5 r90
  text "signal_pins_future" at 89.281,13.081 h1.52
  text "5V" at 194.437,11.557 h1.52
  text "12V" at 138.938,11.43 h1.52
  text "5V" at 12.446,11.049 h1.52
  text "12V" at 60.706,11.049 h1.52
  text "gnd" at 24.752,11.022 h0.5 r90
  text "gnd" at 160.515,11.022 h0.5 r90
  text "gnd" at 75.679,10.895 h0.5 r90
  text "gnd" at 45.185,9.411 h0.5
  text "w_r_dir" at 181.964,8.692 h0.5
  text "gnd" at 123.304,7.847 h0.5 r90
  text "12V" at 128.805,7.847 h0.5 r90
  text "w_r_pwm" at 181.964,6.744 h0.5
  text "bu_stepper_2" at 96.634,6.704 h0.5 r90
  text "bu_stepper_1" at 100.19,6.704 h0.5 r90
  text "bu_rpi_1" at 101.587,6.577 h0.5 r90
  text "bu_esp_1" at 109.334,6.577 h0.5 r90
  text "bu_cen_1" at 111.958,6.577 h0.5 r90
  text "w_l_pwm" at 47.471,5.347 h0.5
  text "bu_esp_2" at 85.698,4.585 h0.5
  text "w_l_dir" at 38.327,3.231 h0.5
  text "gnd" at 176.757,2.68 h0.5
  text "w_l_pwm" at 86.206,2.299 h0.5
  text "gnd" at 213.855,0.989 h0.5 r90
  text "w_r_pwm" at 95.223,0.267 h0.5
  text "LS_L1down/augerdown" at 99.541,0.14 h0.5
  text "left_wheel" at 36.322,0 h1.52 r90
  text "gnd" at 113.511,0.013 h0.5
  text "right_wheel" at 173.228,-0.381 h1.52 r90
  text "w_l_dir" at 90.651,-0.706 h0.5
  text "w_r_dir" at 97.89,-0.96 h0.5
  text "LS_L2up/suitup" at 103.224,-1.003 h0.5
Mechanical 15:
  lines w0.254: -1.597,3.955 ccw(c4.267,3.955) 4.267,-1.909 ; -1.587,3.955 -1.587,138.067 ; -1.581,138.067 cw(c4.013,138.067) 4.013,143.661 ; 4.013,143.655 6.172,143.655 217.627,143.655 ; 4.267,-1.867 217.627,-1.867 ; 217.627,-1.911 ccw(c217.627,3.574) 223.112,3.574 ; 217.627,143.661 cw(c217.627,138.194) 223.092,138.067 ; 223.076,3.574 223.076,138.067

## Text inside footprints (layer, text, board x,y; h text height)
Central_esp: Top Overlay "40" at 158.153,27.097 h1.27; Top Overlay "39" at 158.403,19.347 h1.27; Top Overlay "1" at 110.963,32.229 h1.27
module_esp: Top Overlay "40" at 59.619,32.689 h1.27 r180; Top Overlay "39" at 59.369,40.439 h1.27 r180; Top Overlay "1" at 106.809,27.557 h1.27 r180
motherboard: Top Overlay "1" at 75.521,57.909 h1.27 r90; Top Overlay "39" at 88.403,105.349 h1.27 r90; Top Overlay "40" at 80.653,105.099 h1.27 r90
motherboard1: Top Overlay "1" at 130.815,57.909 h1.27 r90; Top Overlay "39" at 143.697,105.349 h1.27 r90; Top Overlay "40" at 135.947,105.099 h1.27 r90
motherboard4: Top Overlay "1" at 104.502,57.909 h1.27 r90; Top Overlay "39" at 117.384,105.349 h1.27 r90; Top Overlay "40" at 109.634,105.099 h1.27 r90
P1: Top Overlay "2" at 168.466,111.544 h1.27 r90; Top Overlay "1" at 171.006,111.544 h1.27 r90; Top Overlay "19" at 171.006,138.468 h1.27 r90; Top Overlay "20" at 168.466,138.468 h1.27 r90
xt90: Top Overlay "+" at 57.672,5.499 h1.52; Top Overlay "-" at 81.672,4.991 h1.52
xt91: Top Overlay "+" at 6.745,5.499 h1.52; Top Overlay "-" at 30.745,4.991 h1.52
xt92: Top Overlay "-" at 163.141,4.991 h1.52; Top Overlay "+" at 139.141,5.499 h1.52
xt93: Top Overlay "+" at 189.752,5.499 h1.52; Top Overlay "-" at 213.752,4.991 h1.52